# Altium PCB JDR2812（公开）.PcbDoc (part 2 of 3)
Units mil, origin at the board's own origin, x right, y up, seen from the top; angles counter-clockwise.
Board outline 8760 x 7210 mil, 4 copper layers (Top Layer, VCC, GND, Bottom Layer); 243 components, 432 nets, 1287 pads, 362 vias.
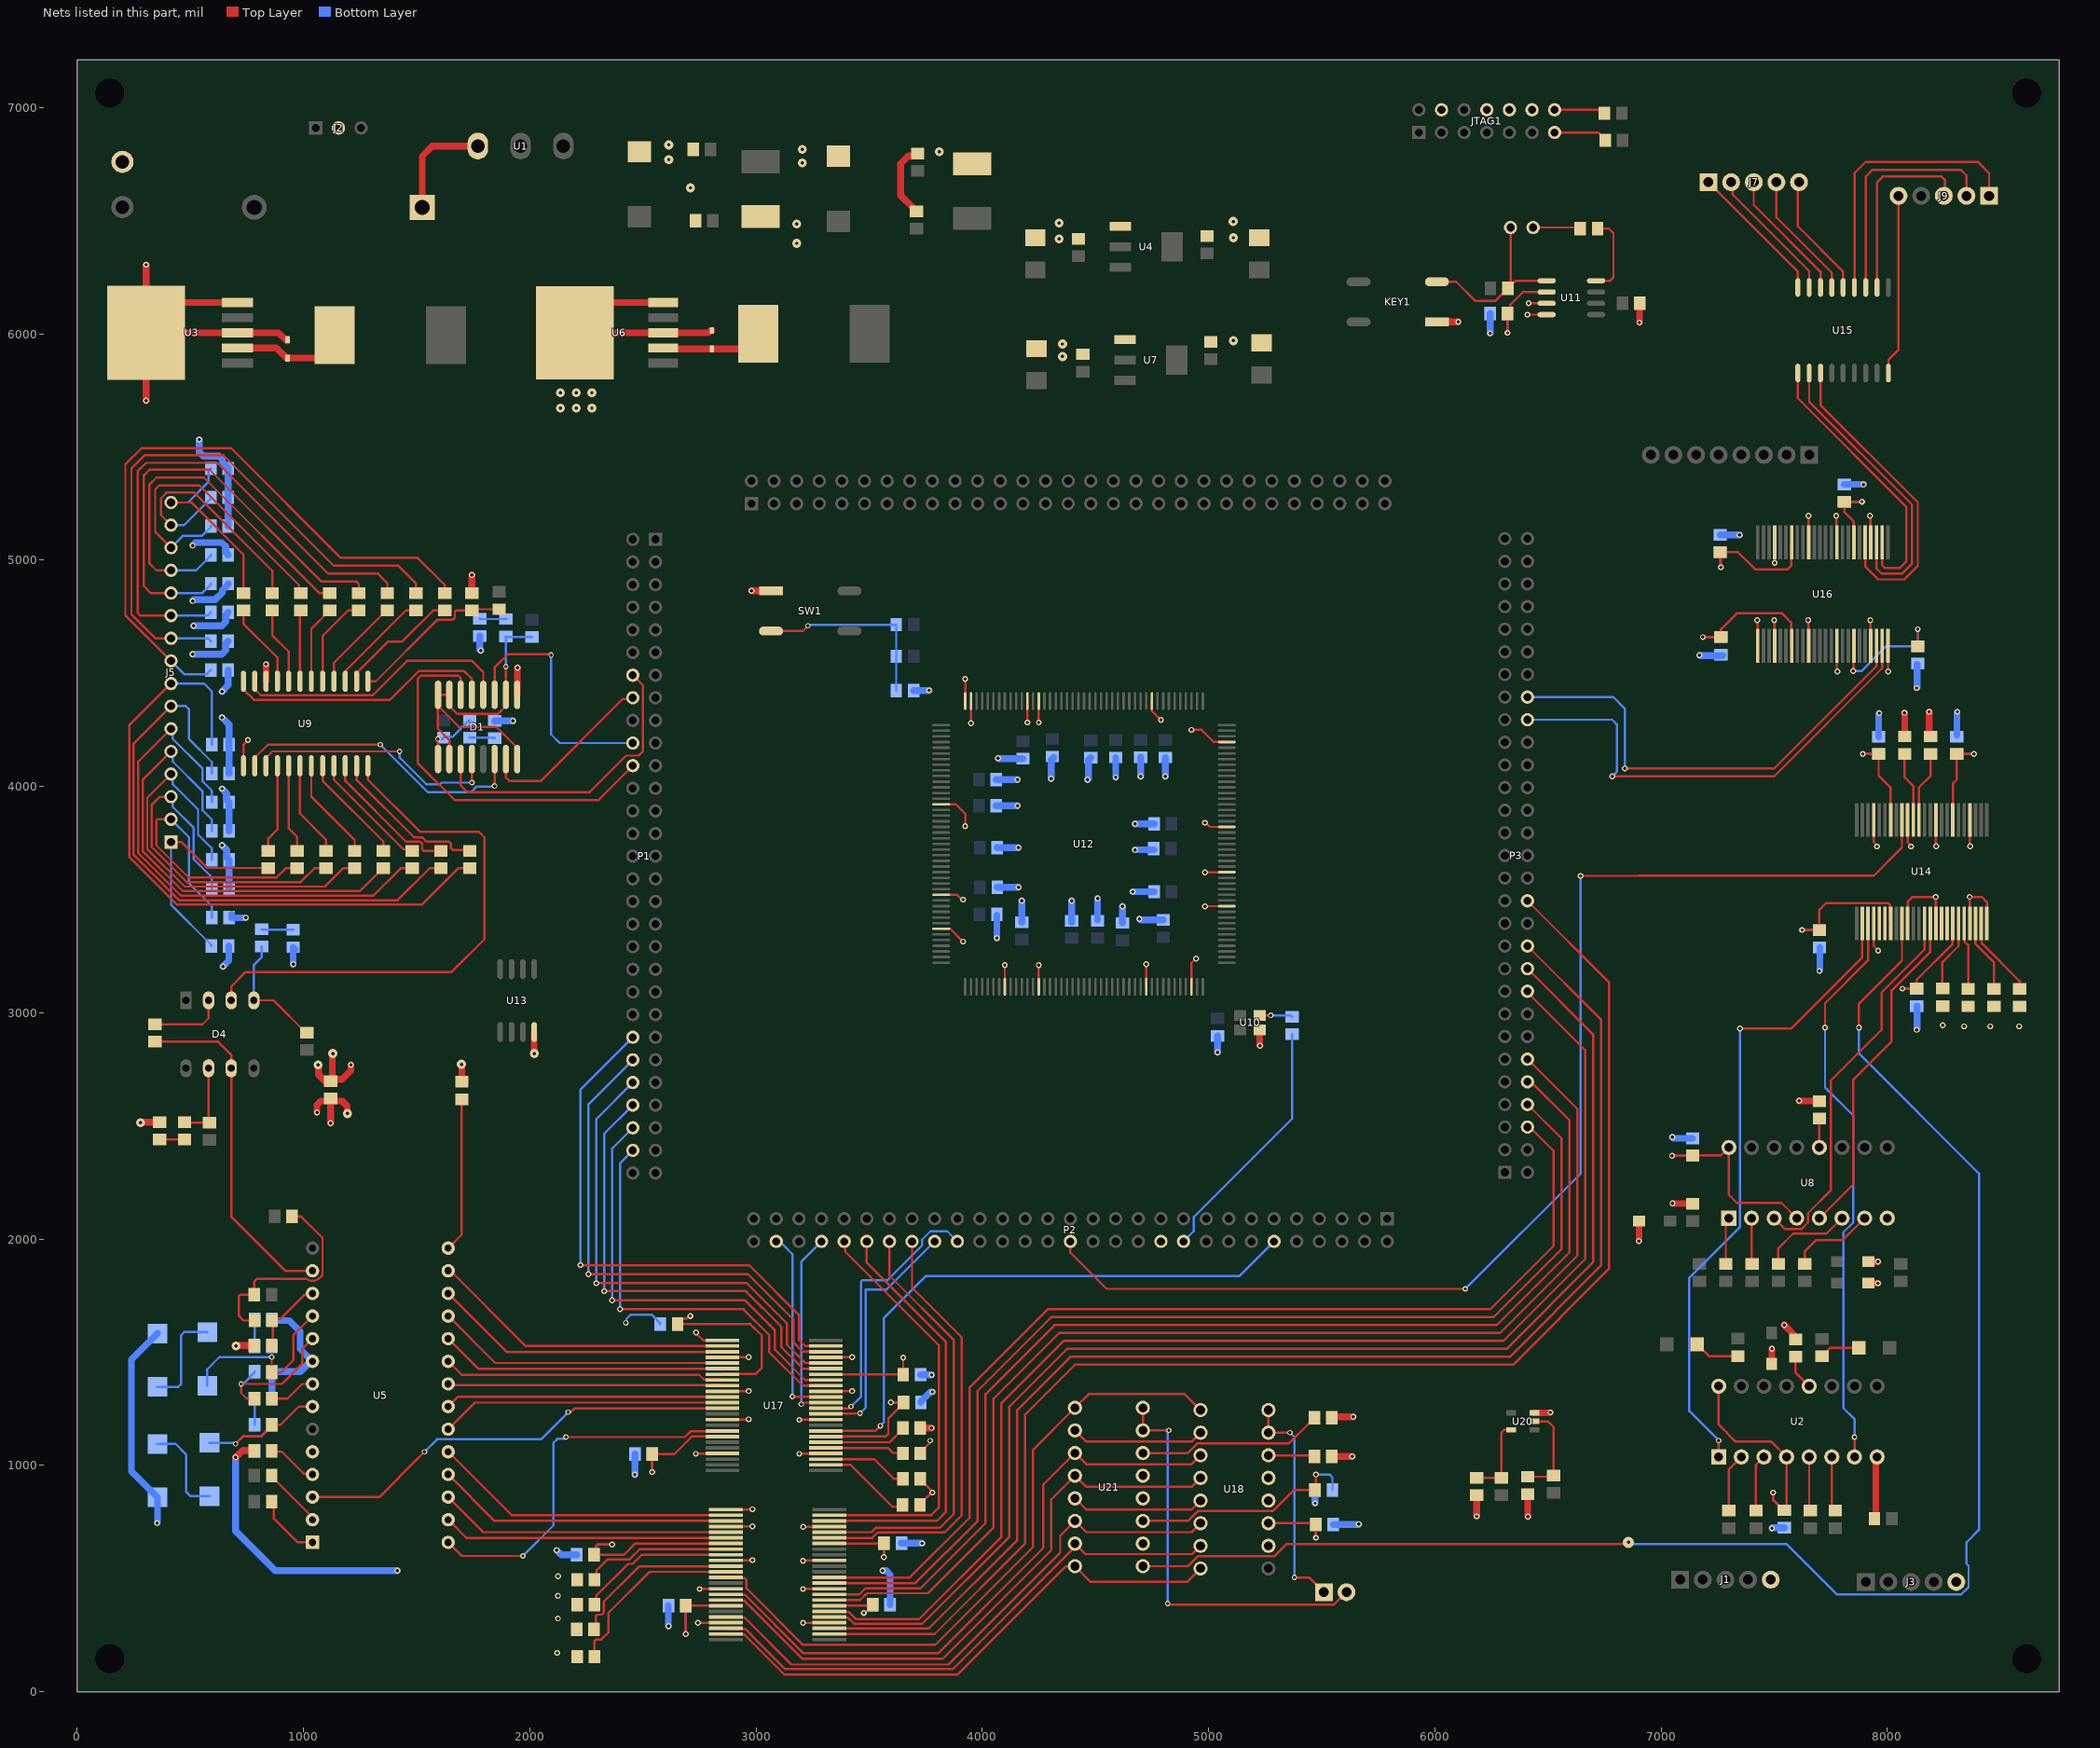
[diagram p4: the nets of this part, all layers, seen from the top]

## Via types
v1: diameter 26, hole 14, Top Layer to Bottom Layer, tented both sides, 261 vias
v2: diameter 40, hole 14, Top Layer to Bottom Layer, tented both sides, 43 vias
v3: diameter 24, hole 14, Top Layer to Bottom Layer, tented both sides, 42 vias
v4: diameter 26, hole 12, Top Layer to Bottom Layer, 8 vias
v5: diameter 26, hole 12, Top Layer to Bottom Layer, tented both sides, 5 vias
v6: diameter 50, hole 14, Top Layer to Bottom Layer, tented both sides, 3 vias

## Nets (pads, with @x,y where several pads share a name; then routed paths per layer and width w, separated by ;. In a path a pad name is that pad's centre, name@x,y a point inside that pad or via, vN(x,y) a via of type N, cw(c..) or ccw(c..) an arc to the next point about the centre after c; other vN are vias at no path point) (continued)
AD_CEB: U14.9 U21.9 | length 7058.6
  Top Layer w10: U21.9@4710,554.61 4909.24,554.61 4952.75,598.11 5290.22,598.11 5344.11,652 6830.26,652 6830.61,652.35 6848.46,652.35 v6(6856.12,660) ; v1(7875,2935) 7875,3039.93 8065,3229.93 U14.9@8065,3395
  Bottom Layer w10: v6(6856.12,660) 6862.99,653.12 7554.1,653.12 7776.6,430.63 8327.52,430.63 8359.37,462.48 8359.37,556.55 8350,565.92 8350,660 8405,715 8405,2290 7875,2820 v1(7875,2935)
AD_CEB_FPGA: P2.44 U14.40 | length 5491.5
  Top Layer w10: P2.44@4390,1990 4390,1940 4550,1780 v1(6135,1780) ; v1(6645,3605) 6902.4,3605 6903.4,3606 7941,3606 8065,3730 U14.40@8065,3852.24
  Bottom Layer w10: v1(6135,1780) 6645,2290 v1(6645,3605)
AD_CS: U5.3 U17.13 | length 1972.3
  Top Layer w10: U5.3@1040,860 1335,860 1509.37,1034.37 ; 1510.54,1035.54 v3(1535,1060) ; v3(2170,1235) 2180.82,1235 2198.32,1252.5 U17.13@2851.38,1252.5
  Bottom Layer w10: v3(1535,1060) 1590.47,1115.47 2050.47,1115.47 v3(2170,1235)
AD_CS_FPGA: P2.49 U17.36 | length 1236
  Top Layer w10: U17.36@3308.62,1252.5 3408.71,1252.5 3416.21,1260 v3(3420,1260)
  Bottom Layer w10: v3(3420,1260) 3465,1305 3465,1812.16 3470.86,1818.02 3580.99,1818.02 3734.53,1971.56 3734.53,1997.5 3771.56,2034.53 3845.47,2034.53 P2.49@3890,1990
AD_D0: U5.16 U17.2 | length 1349.1
  Top Layer w10: U5.16@1640,1860 1650,1860 1982.5,1527.5 U17.2@2851.38,1527.5
AD_D0_FPGA: P1.52 U17.47 | length 2398.8
  Top Layer w10: v1(2225,1885) 2970,1885 3190,1665 3190,1555 3217.5,1527.5 U17.47@3308.62,1527.5
  Bottom Layer w10: v1(2225,1885) 2225,2661 P1.52@2456,2892
AD_D1: U5.17 U17.3 | length 1319.8
  Top Layer w10: U5.17@1640,1760 1899.63,1500.37 2849.25,1500.37 U17.3@2851.38,1502.5
AD_D1_FPGA: P1.53 U17.46 | length 2277.5
  Top Layer w10: v1(2260,1845) 2965,1845 3165,1645 3165,1544.64 3207.14,1502.5 U17.46@3308.62,1502.5
  Bottom Layer w10: v1(2260,1845) 2260,2596 P1.53@2456,2792
AD_D2: U5.18 U17.5 | length 1297.3
  Top Layer w10: U5.18@1640,1660 1847.5,1452.5 U17.5@2851.38,1452.5
AD_D2_FPGA: P1.54 U17.44 | length 2168.8
  Top Layer w10: v1(2295,1805) 2960,1805 3137.22,1627.78 3137.22,1533.14 3217.86,1452.5 U17.44@3308.62,1452.5
  Bottom Layer w10: v1(2295,1805) 2295,2531 P1.54@2456,2692
AD_D3: U5.19 U17.6 | length 1266.3
  Top Layer w10: U5.19@1640,1560 1772.5,1427.5 U17.6@2851.38,1427.5
AD_D3_FPGA: P1.55 U17.43 | length 2047.7
  Top Layer w10: v1(2330,1770) 2955,1770 3112.22,1612.78 3112.22,1522.78 3207.5,1427.5 U17.43@3308.62,1427.5
  Bottom Layer w10: v1(2330,1770) 2329.6,1770.4 2329.6,2465.6 P1.55@2456,2592
AD_D4: U5.20 U17.8 | length 1245.6
  Top Layer w10: U5.20@1640,1460 1700,1400 2749.99,1400 2770.36,1379.63 2849.25,1379.63 U17.8@2851.38,1377.5
AD_D4_FPGA: P1.56 U17.41 | length 1939.1
  Top Layer w10: v1(2365,1730) 2950,1730 3083.93,1596.07 3083.93,1511.07 3217.5,1377.5 U17.41@3308.62,1377.5
  Bottom Layer w10: v1(2365,1730) 2365,2401 P1.56@2456,2492
AD_D5: U5.21 U17.9 | length 1214.5
  Top Layer w10: U5.21@1640,1360 1645.37,1354.63 2849.25,1354.63 U17.9@2851.38,1352.5
AD_D5_FPGA: P1.57 U17.40 | length 1817.8
  Top Layer w10: v1(2400,1690) 2945,1690 3058.93,1576.07 3058.93,1500.71 3207.14,1352.5 U17.40@3308.62,1352.5
  Bottom Layer w10: v1(2400,1690) 2400,2336 P1.57@2456,2392
AD_D6: U5.22 U17.11 | length 1229
  Top Layer w10: U5.22@1640,1260 1682.5,1302.5 U17.11@2851.38,1302.5
AD_D6_FPGA: P2.57 U17.38 | length 872.2
  Top Layer w10: v3(3161.16,1304.31) 3162.97,1302.5 U17.38@3308.62,1302.5
  Bottom Layer w10: P2.57@3090,1990 3103.27,1990 3117.26,1976.01 3118.99,1976.01 3161.16,1933.84 v3(3161.16,1304.31)
AD_D7: U5.23 U17.12 | length 1260
  Top Layer w10: U5.23@1640,1160 1757.5,1277.5 U17.12@2851.38,1277.5
AD_D7_FPGA: P2.55 U17.37 | length 869
  Top Layer w10: v3(3200,1270) 3203.79,1270 3211.29,1277.5 U17.37@3308.62,1277.5
  Bottom Layer w10: v3(3200,1270) 3200,1900 P2.55@3290,1990
AD_D8: ?.2 U5.24 | length 1343.7
  Top Layer w10: U5.24@1640,1060 1920,780 ?.2@2867.76,780
AD_D8_FPGA: ?.47 P2.54 | length 1846.8
  Top Layer w10: ?.47@3325,780 3775,780 3808,813 3808,1532 3394.53,1945.47 3394.53,1985.47 P2.54@3390,1990
AD_D9: ?.3 U5.25 | length 1312.7
  Top Layer w10: U5.25@1640,960 1845,755 ?.3@2867.76,755
AD_D9_FPGA: ?.46 P2.53 | length 1871.5
  Top Layer w10: ?.46@3325,755 3800,755 3840,795 3840,1545 3490,1895 P2.53@3490,1990
AD_D10: ?.5 U5.26 | length 1292
  Top Layer w10: U5.26@1640,860 1795,705 ?.5@2867.76,705
AD_D10_FPGA: ?.44 P2.52 | length 1905.4
  Top Layer w10: ?.44@3325,705 3510.38,705 3529.45,724.07 3812.65,724.07 3875,786.42 3875,1553.64 3590,1838.64 P2.52@3590,1990
AD_D11: ?.6 U5.27 | length 1260.9
  Top Layer w10: U5.27@1640,760 1720,680 ?.6@2867.76,680
AD_D11_FPGA: ?.43 P2.51 | length 1927.5
  Top Layer w10: ?.43@3325,680 3513.67,680 3537.74,704.07 3834.07,704.07 3910,780 3910,1565 3690,1785 P2.51@3690,1990
AD_RC: U5.5
AD_RC_FPGA: P2.50 U17.35 | length 1102.9
  Top Layer w10: U17.35@3308.62,1227.5 3309.87,1228.75 3458.75,1228.75 v3(3460,1230)
  Bottom Layer w10: v3(3460,1230) 3485,1255 3485,1776.88 3576.88,1776.88 P2.50@3790,1990
AD_STS: U5.28 U17.17 | length 1678.9
  Top Layer w10: U5.28@1640,660 1700,600 v1(1970,600) ; v3(2160,1125) 2686.01,1125 2711.39,1150.37 2849.25,1150.37 U17.17@2851.38,1152.5
  Bottom Layer w10: v1(1970,600) 2105,735 2105,1100 2122.35,1117.35 2152.35,1117.35 v3(2160,1125)
AD_STS_FPGA: P2.35 U17.32 | length 2597.7
  Top Layer w10: U17.32@3308.62,1152.5 3527.5,1152.5 v3(3550,1175)
  Bottom Layer w10: v3(3550,1175) 3565,1190 3565,1650 3752.5,1837.5 5137.5,1837.5 P2.35@5290,1990
ADC_A0: D1.13 U9.10 | length 1139.2
  Top Layer w10: U9.10@835,4091.46 835,4127.17 862.83,4155 1422.14,4155 v3@1423.57,4153.57 ; v3(1745,4017) D1.13@1745,4121.22
  Bottom Layer w10: v3(1425,4155) 1425.28,4154.72 1425.28,4128 1543.28,4010 1604.61,4010 1611.61,4017 v3(1745,4017)
ADC_A0_FPGA: D1.14 P1.36 | length 1363.9
  Top Layer w10: D1.14@1695,4121.22 1695,4005 1725,3975 2265,3975 2426.53,4136.53 2481.53,4136.53 2500.53,4155.53 2500.53,4447.47 P1.36@2456,4492
ADC_A1: D1.11 U9.11 | length 1337.1
  Top Layer w10: U9.11@785,4091.46 785,4127.17 842.83,4185 v3(1340,4185) ; v3(1845,4002) D1.11@1845,4121.22
  Bottom Layer w10: v3(1340,4185) 1550,3975 1741.18,3975 1766.18,4000 1843,4000 v3(1845,4002)
ADC_A1_FPGA: D1.10 P1.37 | length 800.4
  Top Layer w10: D1.10@1895,4121.22 1895,4040 1910,4025 2050,4025 2411.47,4386.47 2450.47,4386.47 P1.37@2456,4392
ADC_A2: D1.5 U9.14 | length 1240.3
  Top Layer w10: U9.14@785,4465 785,4429.29 811.3,4402.99 1306.28,4402.99 1458.28,4555 1745,4555 1795,4505 D1.5@1795,4405
ADC_A2_FPGA: D1.6 P1.39 | length 1124
  Top Layer w10: D1.6@1845,4405 1845,4525 1905,4585 2090.54,4585 v3(2094.64,4580.9)
  Bottom Layer w10: v3(2094.64,4580.9) 2094.64,4230.36 2133,4192 P1.39@2456,4192
ADC_A3: D1.4 U9.13 | length 1202
  Top Layer w10: U9.13@735,4465 735,4429.29 781.3,4382.99 1382.99,4382.99 1510,4510 1710,4510 1745,4475 D1.4@1745,4405
ADC_A3_FPGA: D1.3 P1.40 | length 1728.3
  Top Layer w10: D1.3@1695,4405 1695,4480 1685,4490 1520,4490 1505,4475 1505,4103.85 1668.85,3940 2304,3940 P1.40@2456,4092
COS: P2.39 R69.1 | length 1113.8
  Bottom Layer w10: P2.39@4890,1990 4935,2035 4935,2097.97 5370,2532.97 5370,2884.41 R69.1@5370,2905
DA_D0: ?.13 U18.1 U21.1 | length 2981.8
  Top Layer w10: ?.13@2867.76,505 2869.88,502.87 2948.77,502.87 2957.56,494.09 2957.56,457.44 3207.87,207.13 3792.13,207.13 4225,640 4225,1069.61 U21.1@4410,1254.61 4470.39,1315 4894.61,1315 U18.1@4965,1244.61
DA_D0_FPGA: ?.36 P3.32 | length 4726.3
  Top Layer w10: ?.36@3325,505 3680,505 3945,770 3945,1345 4290,1690 6245,1690 6525,1970 6525,2390 P3.32@6410,2505
DA_D1: U18.2 U21.2 | length 592
  Top Layer w10: U21.2@4410,1154.61 4459.61,1105 4925.39,1105 U18.2@4965,1144.61
DA_D1_FPGA: ?.35 P3.33 | length 4884.6
  Top Layer w10: ?.35@3325,480 3705,480 3980,755 3980,1330 4305,1655 6259.5,1655 6560,1955.5 6560,2445 P3.33@6410,2595
DA_D2: ?.16 U18.3 U21.3 | length 2772.1
  Top Layer w10: ?.16@2867.76,430 2869.88,427.87 2952.06,427.87 3209.93,170 3805,170 4270,635 4270,914.61 U21.3@4410,1054.61 4459.61,1005 4925.39,1005 U18.3@4965,1044.61
DA_D2_FPGA: ?.33 P3.34 | length 5068.3
  Top Layer w10: ?.33@3325,430 3457.28,430 3483.93,456.64 3726.64,456.64 4015,745 4015,1315 4320,1620 6273.99,1620 6595,1941.01 6595,2525 P3.34@6415,2705
DA_D3: ?.17 U18.4 U21.4 | length 2708.8
  Top Layer w10: ?.17@2867.76,405 2869.88,402.87 2948.77,402.87 3206.65,145 3825,145 4305,625 4305,849.61 U21.4@4410,954.61 4459.61,905 4925.39,905 U18.4@4965,944.61
DA_D3_FPGA: ?.32 P3.35 | length 5228.7
  Top Layer w10: ?.32@3325,405 3460.57,405 3490.57,435 3760,435 4050,725 4050,1295 4340,1585 6288.49,1585 6630,1926.51 6630,2575 P3.35@6410,2795
DA_D4: U18.5 U21.5 | length 592
  Top Layer w10: U21.5@4410,854.61 4459.61,805 4925.39,805 U18.5@4965,844.61
DA_D4_FPGA: ?.30 P3.38 | length 5636.1
  Top Layer w10: ?.30@3325,355 3327.13,352.87 3409.3,352.87 3442.17,320 3720,320 4085,685 4085,1275 4360,1550 6302.99,1550 6665,1912.01 6665,2835 P3.38@6415,3085
DA_D5: ?.20 U18.6 U21.6 | length 2527.7
  Top Layer w10: ?.20@2867.76,330 2869.88,327.87 2948.77,327.87 2957.56,319.09 3156.65,120 3850,120 4345,615 4345,689.61 U21.6@4410,754.61 4459.61,705 4925.39,705 U18.6@4965,744.61
DA_D5_FPGA: ?.29 P3.39 | length 5803.6
  Top Layer w10: ?.29@3325,330 3327.13,327.87 3406.02,327.87 3433.89,300 3735,300 4120,685 4120,1260 4375,1515 6317.49,1515 6700,1897.51 6700,2905 P3.39@6410,3195
DA_D6: ?.22 U18.7 U21.7 | length 2444.5
  Top Layer w10: ?.22@2867.76,280 2869.88,277.87 2952.06,277.87 3015,214.93 3129.93,100 3870,100 4394.43,624.43 4394.43,624.69 4410,640.27 U21.7@4410,654.61 4456.5,608.11 4928.5,608.11 U18.7@4965,644.61
DA_D6_FPGA: ?.27 P3.40 | length 5957.4
  Top Layer w10: ?.27@3325,280 3765,280 4155,670 4155,1245 4390,1480 6331.98,1480 6735,1883.02 6735,2970 P3.40@6410,3295
DA_D7: ?.23 U18.8 U21.8 | length 2424
  Top Layer w10: ?.23@2867.76,255 2869.88,252.87 2948.77,252.87 3126.65,75 3890,75 4369.36,554.36 4409.76,554.36 U21.8@4410,554.61 4420,544.61 4479.61,485 4905.39,485 U18.8@4965,544.61
DA_D7_FPGA: ?.26 P3.42 | length 6222.8
  Top Layer w10: ?.26@3325,255 3790,255 4190,655 4190,1225 4410,1445 6346.48,1445 6770,1868.52 6770,3135 P3.42@6410,3495
DA_OUTPUT1: J8.1 U18.15 U18.16 | length 1000.4
  Top Layer w10: U18.16@5265,1244.61 U18.15@5265,1144.61 5265.2,1144.8 5359.8,1144.8 v3(5360,1145) ; v3(5380,505) 5445,505 J8.1@5510,440
  Bottom Layer w10: v3(5360,1145) 5380,1125 v3(5380,505)
DA_OUTPUT2: J8.2 U21.15 U21.16 | length 1805.4
  Top Layer w10: U21.16@4710,1260 U21.16@4710,1254.61 U21.15@4710,1154.61 4710.2,1154.8 4824.8,1154.8 v3(4825,1155) ; v3(4820,390) 4820,385 5555,385 J8.2@5610,440
  Bottom Layer w10: v3(4820,390) 4820,1150 v3(4825,1155)
EMU0: JTAG1.13 R84.1 | length 240
  Top Layer w10: JTAG1.13@6530,6890 6722.13,6890 6753.2,6858.94 R84.1@6753.2,6855
EMU1: JTAG1.14 R85.2 | length 226.2
  Top Layer w10: JTAG1.14@6530,6990 6735,6990 R85.2@6750,6975
GND: ?.1 ?.4 ?.10 ?.15 ?.21 ?.28 ?.34 ?.39 ?.45 C2.1 C4.1 C5.1 C12.2 C13.2 C14.2 C15.2 C16.2 C17.1 C18.2 C19.1 C20.2 C21.1 C24.1 C26.2 C27.1 C28.2 C29.1 C30.2 C31.2 C32.2 C33.2 C34.1 C35.1 C36.2 C37.1 C39.2 C40.1 C41.1 C42.1 C43.1 C44.1 C45.1 C46.1 C47.1 C48.1 C49.1 C50.1 C51.2 C52.1 C53.1 C54.1 C55.2 C56.1 C57.1 C58.1 C59.1 C60.1 C61.1 C62.1 C63.1 C64.1 C65.1 C66.1 C67.1 C68.1 C69.1 C70.1 C71.1 C72.1 C73.1 C74.1 C75.1 C76.1 D1.8 D3.1 D5.2 D6.2 D7.2 D8.2 D9.1 J1.5 J2.2 J3.5 J4.1 JTAG1.4 JTAG1.8 JTAG1.10 JTAG1.12 KEY1.1 P2.40 R3.1 R10.2 R25.1 R30.2 R33.2 R53.2 R55.1 R73.1 R75.2 R76.2 R79.2 R82.2 R83.2 R92.2 R93.2 R94.2 R95.2 R98.1 R99.2 R100.2 R101.2 R102.2 R105.1 R111.2 SW1.1 U2.8 U3.3 U3.5 U3.6 U4.1 U6.3 U6.5 U6.6 U7.1 U8.8 U9.12 U9.15 U10.2 U11.3 U11.4 U12.15 U12.31 U12.37 U12.51 U12.57 U12.76 U12.84 U12.97 U12.103 U12.111 U12.126 U12.139 U12.159 U12.161 U12.171 U12.172 U13.4 U14.4 U14.10 U14.15 U14.21 U14.24 U14.28 U14.34 U14.39 U14.45 U16.4 U16.10 U16.15 U16.21 U16.25 U16.28 U16.34 U16.39 U16.45 U16.48 U17.1 U17.4 U17.10 U17.15 U17.21 U17.28 U17.34 U17.39 U17.45 U18.10 U18.12 U18.13 U20.3 U21.10 U21.12 U21.13 | length 17934.6
  Top Layer w10: U9.12@735,4091.46 734.7,4114.71 734.7,4184.18 v1(755,4205) ; v1(2735,1588) 2735,1584.33 2766.83,1552.5 U17.1@2851.38,1552.5 ; v1@2735.62,1052.5 U17.21@2851.38,1052.5 ; v1@2745,305 ?.21@2860.75,305 ; v1@2752,455 ?.15@2867.76,455 ; U17.15@2851.38,1202.5 v1@2967.13,1202.5 ; U17.10@2851.38,1327.5 v1@2967.13,1327.5 ; U17.4@2851.38,1477.5 v1@2967.13,1477.5 ; ?.10@2867.76,580 v1@2983.51,580 ; ?.4@2867.76,730 v1@2983.51,730 ; ?.1@2867.76,805 v1@2983.51,805 ; v1@3192.87,1052.5 U17.28@3308.62,1052.5 ; v1@3192.87,1202.5 U17.34@3308.62,1202.5 ; v1(3208.73,728.02) 3209.72,729.01 3324.01,729.01 ?.45@3325,730 ; v1@3209.25,305 ?.28@3325,305 ; v1@3209.25,455 ?.34@3325,455 ; v1@3209.25,580 ?.39@3325,580 ; U17.39@3308.62,1327.5 v1@3424.38,1327.5 ; U17.45@3308.62,1477.5 v1@3424.38,1477.5 ; R95.2@3725,825 3725,828.94 3776.06,880 v1(3780,880) 3780,884.17 3725,939.17 3725,939.5 R94.2@3726.8,941.31 ; R93.2@3726.8,1053.15 3726.8,1057.09 3767.32,1097.61 3767.32,1107.32 v3(3770,1110) ; U12.37@3818.7,3371.3 3818.9,3371.1 3858.9,3371.1 v1(3915,3315) ; U12.31@3818.7,3521.3 3889.63,3521.3 3910.93,3500 v1(3915,3500) ; U12.15@3818.7,3921.3 3883.7,3921.3 3925,3880 v1(3925,3825) ; U12.172@3925,4377.6 v1@3925,4472.6 ; v1@3950,4282.6 U12.171@3950,4377.6 ; U12.51@4100,3115 v1(4100,3210) ; v1(4200,4282.6) U12.161@4200,4377.6 ; U12.57@4250,3115 v1(4250,3210) ; v1(4250,4282.6) U12.159@4250,4377.6 ; U12.76@4725,3115 v1@4725,3210 ; U12.139@4750,4377.6 4750,4333.71 v1(4790,4293.71) ; U12.84@4925,3115 4925,3220 v1(4945,3240) ; v1(4925,4250) 4970,4250 5023.5,4196.5 5085.71,4196.5 U12.126@5086.1,4196.1 ; v1(4985,3620) 4986.1,3621.1 5081.1,3621.1 U12.103@5081.3,3621.3 ; v1(4985,3840) 4987.2,3840 5005.9,3821.3 U12.111@5081.3,3821.3 5085.39,3821.3 U12.111@5085.86,3820.83 ; v1@4986.3,3471.3 U12.97@5081.3,3471.3 ; v1(6410,6085) U11.4@6495,6085 ; v1(6415,6135) U11.3@6495,6135 ; U16.25@7426.88,4622 v1@7426.88,4733.12 ; U16.28@7501.88,4622 v1@7501.88,4733.12 ; v1(7502.5,4988) U16.21@7502.5,5078.62 ; U16.34@7651.88,4622 v1@7651.88,4733.12 ; U16.15@7652.5,5078.62 v1@7652.5,5194.38 ; U16.10@7775.62,5078.62 v1@7775.62,5194.38 ; v1@7778.12,4509.63 U16.39@7778.12,4620.75 ; v1(7925,4735) 7926.25,4733.75 7926.25,4622.63 U16.45@7927.5,4621.38 ; U16.4@7925.62,5078.62 v1@7925.62,5194.38 ; U14.4@7940,3395 7940,3295 v1(7960,3275) ; U14.45@7940,3852.24 7940,3754.33 7955,3739.33 v1(7955,3735) ; v1@8003.12,4509.63 U16.48@8003.12,4620.75 ; U14.10@8090,3395 8090,3490 8112,3512 v1(8213.75,3512) ; U14.39@8090,3852.24 8090,3754.33 8105,3739.33 v1(8105,3735) ; U14.15@8215,3395 v1@8215,3510.75 ; v1@8215,3736.49 U14.34@8215,3852.24 ; v1(8363.75,3512) 8418,3512 8440,3490 U14.24@8440,3395 ; U14.21@8365,3395 v1@8365,3510.75 ; v1@8365,3736.49 U14.28@8365,3852.24
  Top Layer w30: v1(305,5704.48) U3.6@305,6005 ; v1(305,6305.52) U3.6@305,6005 ; v1(700,1035) 730,1065 R33.2@783.2,1065 ; U3.5@708.66,6138.86 438.86,6138.86 U3.6@305,6005 ; U9.15@835,4465 v1(835,4540) ; D3.1@927.76,5967.24 890,6005 U3.3@708.66,6005 U3.6@305,6005 ; v2(1065,2770) 1066.91,2768.09 1066.91,2725.97 1095.08,2697.8 R3.1@1121,2697.8 R3.1@1128.09,2704.89 ; v2(1130,2820) 1128.09,2818.09 R3.1@1128.09,2704.89 ; v1(1210,2770) 1210.15,2769.85 1210.15,2745 1171.35,2706.21 1129.4,2706.21 R3.1@1128.09,2704.89 ; v2(1698.63,2772.51) 1700,2771.13 R30.2@1700,2695 1703.94,2695 R30.2@1714.53,2705.59 ; C20.2@1745,4855 v1(1745,4935) ; D1.8@1945,4405 1945,4523.63 v1(1946.42,4525.04) ; v2(2020,2820) U13.4@2020,2915 ; U6.5@2589.63,6138.86 2333.86,6138.86 U6.6@2200,6005 U6.3@2589.63,6005 2790.2,6005 2800.2,6015 D9.1@2805,6015 ; v1(2980,4865) 2981,4864 SW1.1@3066.77,4864 ; C32.2@3710,6541.8 3706.06,6541.8 3695.47,6552.39 3695.47,6556.33 3640,6611.8 3640,6752.43 3673.79,6786.21 3704.41,6786.21 C33.2@3715,6796.8 ; R92.2@3726.8,1165 v3(3776.11,1165) ; U10.2@5226.62,2925 5226.62,2855.73 v1(5227.46,2854.89) ; R98.1@5541.8,1040 R98.1@5545,1040 v1@5635.02,1040 ; R105.1@5546.8,1215 v1@5640.02,1215 ; KEY1.1@6010,6052.83 v1(6103.89,6052.81) ; v1(6184.84,774.82) 6185,774.98 C71.1@6185,868.2 ; C73.1@6411,873.2 6411,775.45 v1(6412.3,774.14) ; U20.3@6440,1232.4 6509.65,1232.4 v1(6511.45,1234.2) ; v1@6903.38,1992.61 D6.2@6903.38,2080 ; v1@6905.14,6050.14 R73.1@6905.14,6133.34 ; v1@7052.61,2156.8 R25.1@7140,2156.8 ; D5.2@7490,1448.38 v1(7490,1515) ; v1(7545,1620) 7595,1570 R10.2@7595,1556.8 ; v1(7611.14,2611.47) 7612.61,2610 R53.2@7700,2610 ; D7.2@7916.62,1805 v1(7959.06,1805) ; D8.2@7916.62,1900 v1(7959.06,1900) ; R55.1@7943.2,765 7949.1,770.9 7949.1,1031.51 U2.8@7955,1037.41 ; v1(8075.82,4325.56) 8077,4324.38 R75.2@8077,4220.9 ; v1(8185,4330) 8185,4227.9 R76.2@8192,4220.9
  Bottom Layer w10: v1(2425,1630) 2427.3,1632.3 2427.3,1647.3 2445,1665 2540.14,1665 2577.2,1627.94 C60.1@2577.2,1624
  Bottom Layer w30: C24.1@784.1,1065 730,1065 v1(700,1035) 700,710 875,535 v1(1415,535) ; C4.1@1780,4665 1780,4604.18 v1(1783.41,4600.77) ; C2.1@1845,4290 1926.1,4290 v1(1926.56,4290.46) ; v1(2120,625) 2140,605 C66.1@2208.2,605 ; v1@2465,959.15 C65.1@2465,1050 ; v1(2613.2,290.15) C70.1@2613.2,381 ; v1(3560,535) 3575.23,535 3592.8,517.43 C69.1@3592.8,385 ; C67.1@3642.8,656 3733.65,656 v1(3734.06,655.6) ; C54.1@3696.8,4424 3764,4424 v1(3765,4425) ; C61.1@3727.8,1401 3728.8,1400 v1(3776.39,1400) ; C64.1@3729,1279 3729,1282.94 3771.07,1325 v1(3780,1325) ; C49.1@4060.9,3915 C49.1@4061.8,3915 v1(4155.9,3915) ; C48.1@4061.8,4030 v1(4155.9,4030) ; v1(4065,3330) C46.1@4065,3432.41 ; C51.2@4065,3555 C51.2@4066.8,3555 v1(4160,3555) ; C40.1@4065,3730 v1(4160,3730) ; v1@4071.8,4123.2 C50.1@4180,4123.2 ; C41.1@4175,3400 v1(4175,3495) ; v1(4305,4035) 4305,4117.2 C42.1@4315,4127.2 ; C52.1@4395,3400 C52.1@4395,3406.8 v1(4395,3495) ; v1(4465,4030) 4470,4035 4470,4117.2 C36.2@4480,4127.2 ; C75.1@4510,3410 v1(4510,3505) ; v1(4590,4040) C74.1@4590,4128.2 ; C45.1@4620,3396.9 v1(4620,3470) ; v1(4665,3535) C47.1@4760,3535 ; v1(4675,3720) C76.1@4760,3720 ; v1(4675,3835) C44.1@4760,3835 ; v1(4695,3415) 4700,3410 C37.1@4800,3410 ; v1(4700,4045) C43.1@4700,4129.1 ; v1(4810,4045) C39.2@4810,4128.2 ; v1(5040,2825) C53.1@5040,2898.2 ; C72.1@5471,891 5471,833.09 v1(5471.5,832.58) ; C68.1@5551.8,739 5662.68,739 v1(5664.02,740.34) ; v1(6244.38,6002.53) 6245,6003.15 C55.2@6245,6090 ; v1(7050,2450) 7055,2445 C21.1@7140,2445 ; v1@7172.14,4577.86 C62.1@7273.99,4577.86 ; C63.1@7261.67,5111.8 7346.75,5111.8 v1(7347.47,5111.08) ; v1(7490.11,722.58) 7492.53,725 C5.1@7545,725 ; v1@7702.14,3187.14 C34.1@7702.14,3288.99 ; C58.1@7810,5335 v1(7895,5335) ; C35.1@7962,4220 7962,4321.85 v1(7964.14,4323.99) ; v1@8132.14,2927.14 C57.1@8132.14,3028.99 ; v1@8132.14,4437.14 C59.1@8132.14,4538.99 ; C56.1@8307.86,4226.01 v1@8307.86,4327.86